# KiCad board EmotionTracker.kicad_pcb
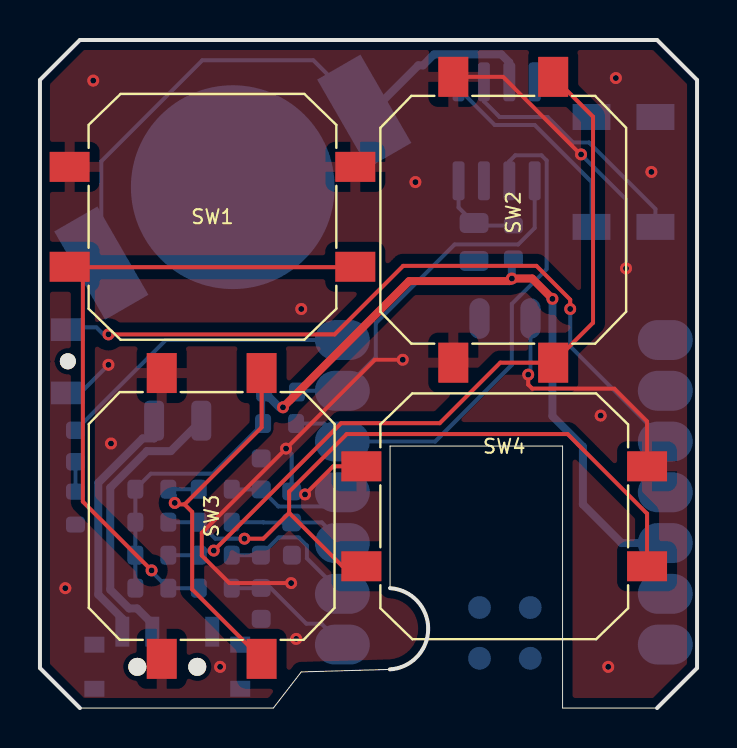
[diagram p0: board, top side]
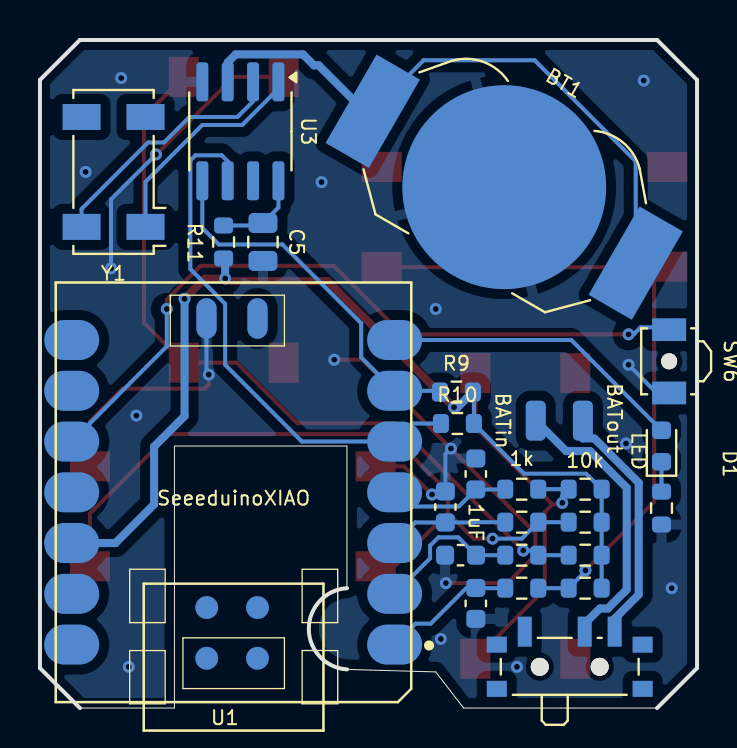
[diagram p1: board, bottom side, seen from below]

Outline 32.89 x 33.43 mm; copper layers: Top, Bottom. Coordinates in mm from the lower left corner of the outline.
Outline path: 0,31.43 0,2 2,0 11.68,0 13.08,1.81 17.52,1.93 arc(19.43,3.96) 17.53,6 17.53,13.11 26.16,13.11 26.16,0 30.89,0 32.89,2 32.89,31.43 30.89,33.43 2,33.43 0,31.43

## Placement (name value [footprint] x y rotation side)
BATin  TestPoint  [SolderWirePad_1x01_SMD_1x2mm]  8.08 14.38 180 bottom
BATout  TestPoint  [SolderWirePad_1x01_SMD_1x2mm]  5.72 14.38 180 bottom
BT1  CR1216  [BatteryHolder_LINX_BAT-HLD-012-SMT]  9.65 26.06 30 bottom
C1  1uF  [C_0603_1608Metric]  11.08 5.24 270 bottom
C2  1uF  [C_0603_1608Metric]  11.84 7.65 0 bottom
C3  1uF  [C_0603_1608Metric]  11.08 11.71 90 bottom
C4  1uF  [C_0603_1608Metric]  12.6 10.06 90 bottom
C5  10uF  [C_0805_2012Metric]  21.73 23.32 270 bottom
D1  LED  [LED_0603_1608Metric]  1.78 13.11 90 bottom
R1  10k  [R_0603_1608Metric]  5.6 6 0 bottom
R2  1k  [R_0603_1608Metric]  8.78 6 180 bottom
R3  10k  [R_0603_1608Metric]  5.6 7.65 0 bottom
R4  1k  [R_0603_1608Metric]  8.78 7.65 180 bottom
R5  10k  [R_0603_1608Metric]  5.6 10.95 0 bottom
R6  1k  [R_0603_1608Metric]  8.78 10.95 180 bottom
R7  10k  [R_0603_1608Metric]  5.6 9.3 0 bottom
R8  1k  [R_0603_1608Metric]  8.78 9.3 180 bottom
R9  10k  [R_0603_1608Metric]  12.05 15.81 180 bottom
R10  10k  [R_0603_1608Metric]  12 14.24 180 bottom
R11  1k  [R_0603_1608Metric]  23.7 23.32 270 bottom
R12  R  [R_0603_1608Metric]  1.78 10.01 270 bottom
SW1  SW_MEC_5E  [SW_Push_1P1T_NO_CK_PTS125Sx43PSMTR]  8.64 24.58 0 top
SW2  SW_MEC_5E  [SW_Push_1P1T_NO_CK_PTS125Sx43PSMTR]  23.19 24.43 90 top
SW3  SW_MEC_5E  [SW_Push_1P1T_NO_CK_PTS125Sx43PSMTR]  8.6 9.61 90 top
SW4  SW_MEC_5E  [SW_Push_1P1T_NO_CK_PTS125Sx43PSMTR]  23.24 9.59 0 top
SW5  SW_SPDT  [SW_SPDT_PCM12]  6.37 2.39 180 bottom
SW6  Push_Button  [SW_SPST_B3U-3000P-B]  1.4 17.35 270 bottom
U1  SeeeduinoXIAO  [Seeeduino XIAO-MOUDLE14P-2.54-21X17.8MM]  14.31 21.29 0 bottom
U3  PCF8523T  [SOIC-8_3.9x4.9mm_P1.27mm]  22.86 28.86 270 bottom
Y1  Crystal_32.768kHz  [Crystal_SMD_Abracon_ABS25-4Pin_8.0x3.8mm]  29.21 26.83 0 bottom

## Library data of the parts
BATin BATout = -: Description: test point; ki_fp_filters: Pin* Test*
BT1 = -: Description: Single-cell battery
C1-C5 = -: Description: Unpolarized capacitor; ki_fp_filters: C_*
D1 = -: Description: Common 5mm diameter LED; ki_fp_filters: LED_D5.0mm_Clear LED_D5.0mm_Horizontal_O1.27mm_Z3.0mm LED_D5.0mm_Horizontal_O3.81mm_Z3.0mm LED_D5.0mm_Horizontal_O6.35mm_Z3.0mm
R1-R8 R12 = -: Description: Resistor; ki_fp_filters: R_*
R9 R10 = -: Description: 10kÎ©, 1/4W Resistor; ki_fp_filters: Resistor_THT:R_Axial_DIN0207_L6.3mm_D2.5mm*
R11 = -: Description: 1kÎ©, 1/4W Resistor; ki_fp_filters: Resistor_THT:R_Axial_DIN0207_L6.3mm_D2.5mm*
SW1-SW4 = -: Datasheet: http://www.apem.com/int/index.php?controller=attachment&id_attachment=1371; Description: MEC 5E single pole normally-open tactile switch; ki_fp_filters: SW*MEC*5G*
SW5 = -: Description: Switch, single pole double throw
SW6 = -: Description: Common 6mmx6mm Push Button
U3 = -: Datasheet: https://www.nxp.com/docs/en/data-sheet/PCF8523.pdf; Description: Realtime Clock/Calendar I2C Interface, SOIC-8; ki_fp_filters: SOIC*3.9x4.9mm*P1.27mm*
Y1 = -: Description: 32.768kHz Crystal

## Footprints (pads in the part's own frame, mm; a bottom-side part is the same pattern mirrored in y, then rotated)
BatteryHolder_LINX_BAT-HLD-012-SMT
  rect 2.5x5.1 smd: 1(-7.6,0) 1(7.6,0)
  round 10.2 smd: 2(0,0)
C_0603_1608Metric
  rrect 0.9x0.95 smd: 1(-0.775,0) 2(0.775,0)
C_0805_2012Metric
  rrect 1x1.45 smd: 1(-0.95,0) 2(0.95,0)
Crystal_SMD_Abracon_ABS25-4Pin_8.0x3.8mm
  rect 1.9x1.3 smd: 1(-1.6,2.75) 2(1.6,2.75) 3(1.6,-2.75) 4(-1.6,-2.75)
LED_0603_1608Metric
  rrect 0.875x0.95 smd: 1(-0.788,0) 2(0.788,0)
R_0603_1608Metric
  rrect 0.8x0.95 smd: 1(-0.825,0) 2(0.825,0)
Seeeduino XIAO-MOUDLE14P-2.54-21X17.8MM
  oval 2.748x1.999 smd: 1(0.833,18.118) 2(0.833,15.578) 3(0.833,13.038) 4(0.833,10.498) 5(0.833,7.958) 6(0.833,5.418) 7(0.833,2.878) 8(16.998,2.878) 9(16.998,5.418) 10(16.998,7.958) 11(16.998,10.498) 12(16.998,13.038) 13(16.998,15.578) 14(16.998,18.118)
  oval 1.016x2.032 smd: 15(7.7,1.8) 16(10.25,1.8)
  round 1.143 smd: 17(7.699,18.804) 18(10.239,18.804) 19(7.699,16.264) 20(10.239,16.264)
SOIC-8_3.9x4.9mm_P1.27mm
  rrect 1.95x0.6 smd: 1(-2.475,1.905) 2(-2.475,0.635) 3(-2.475,-0.635) 4(-2.475,-1.905) 5(2.475,-1.905) 6(2.475,-0.635) 7(2.475,0.635) 8(2.475,1.905)
SolderWirePad_1x01_SMD_1x2mm
  rrect 1x2 smd: 1(0,0)
SW_Push_1P1T_NO_CK_PTS125Sx43PSMTR
  rect 2x1.5 smd: 1(-7.15,2.5) 1(7.15,2.5) 2(-7.15,-2.5) 2(7.15,-2.5)
SW_SPDT_PCM12
  rect 1x0.8 smd: (-3.65,-1.43) (-3.65,0.78) (3.65,-1.43) (3.65,0.78)
  round 0.9 hole 0.9 unplated: (-1.5,-0.33) (1.5,-0.33)
  rect 0.7x1.5 smd: 1(-2.25,1.43) 2(0.75,1.43) 3(2.25,1.43)
SW_SPST_B3U-3000P-B
  round 0.8 hole 0.8 unplated: (0,0)
  rect 1.134x1.7 smd: 1(-1.583,0) 2(1.583,0)

## Nets
+3.3V: R1.1 R3.1 R5.1 R7.1 R9.2 R10.2 R11.2 U1.12
GND: BT1.2 C1.2 C2.2 C3.2 C4.2 C5.2 R12.2 SW1.1 SW2.1 SW3.1 SW4.1 SW6.2 U1.16 U3.4
SCL: R9.1 U1.6 U3.5
SDA: R10.1 U1.5 U3.6
Switch_1: C1.1 R2.1 U1.1
Switch_2: C2.1 R4.1 U1.2
Switch_3: C4.1 R8.1 U1.3
Switch_4: C3.1 R6.1 U1.4
Net-(BT1-+): BT1.1 U3.3
Net-(D1-Pad1): D1.1 R12.1
Net-(R1-Pad2): R1.2 R2.2 SW1.2
Net-(R3-Pad2): R3.2 R4.2 SW2.2
Net-(R5-Pad2): R5.2 R6.2 SW3.2
Net-(R7-Pad2): R7.2 R8.2 SW4.2
Net-(SW5-B): BATin.1 SW5.2
Net-(SW5-C): BATout.1 SW5.3
Net-(U1-PA5_A9_D9_MISO): SW6.1 U1.10
Net-(U1-PB08_A6_D6_TX): D1.2 U1.7
Net-(U3-OSCI): U3.1 Y1.1
Net-(U3-OSCO): U3.2 Y1.2
Net-(U3-VDD): C5.1 R11.1 U3.8

Pads without a net: SW5 1; U1 8 9 11 13 14 15 17 18 19 20; U3 7; Y1 3 4

## Via types
v1: diameter 0.6, hole 0.3, Top to Bottom, 28 vias

## Routing (per net, layer and track width the routed paths; a pad name or vN(x,y) marks a point on that pad's centre or on a via; arc(x,y) is an arc through that point)
+3.3V: length 49
  Top w0.4: v1(12.17,15.05) 18.48,21.37 23.5,21.37 v1(23.62,21.49) 24.64,21.49 v1(25.65,20.48)
  Bottom w0.2: R9.2 11.17,15.76 R10.2 8.66,11.73 5.55,11.73 R5.1 R1.1
  Bottom w0.4: v1(12.17,15.05) 11.99,15.05 R9.2 ; v1(25.65,20.48) 25.65,14.61 27.18,13.08 27.18,10.19 29.11,8.25 U1.12 ; v1(23.62,21.49) 23.62,22.42 R11.2
GND: length 56.1
  Top w0.2: v1(24.44,16.68) 24.44,16.18 24.64,15.98 28.75,15.98 30.39,14.34 30.39,11.9 ; v1(27.09,27.7) 27.06,27.7 23.18,31.58 20.69,31.58 ; v1(12.57,6.25) 9.48,6.25 8.1,7.63 8.1,8.77 v1(12.32,12.98) 16.76,17.43 v1(18.16,17.43) ; SW4.1 14.68,12.09 v1(13.27,10.69)
  Bottom w0.2: 1.4,15.65 1.91,15.65 v1(3.43,17.17) ; 12.61,6.29 v1(12.57,6.25) ; v1(12.32,12.98) 12.6,12.7 C4.2 12.75,10.69 v1(13.27,10.69) ; U1.16 24.56,16.8 v1(24.44,16.68) ; v1(27.09,27.7) 29.34,25.45 v1(29.34,22)
  vias: v1(1.27,6) v1(2.67,31.4) v1(3.56,13.24) v1(9.02,2.06) v1(12.83,3.46) v1(13.08,19.97) v1(18.8,26.32) v1(28.07,14.63) v1(28.45,2.06) v1(28.83,31.53) v1(30.61,26.83)
SCL: length 18.7
  Bottom w0.2: R9.1 12.93,15.88 U1.6 16.81,17.55 16.81,19.25 20.75,23.2 23.94,23.2 24.77,24.02 U3.5
SDA: length 26.8
  Bottom w0.2: R10.1 14.24,14.24 U1.5 19.78,13.34 23.62,17.17 23.62,20.22 25.36,21.97 25.36,27.4 25.11,27.66 23.8,27.66 23.5,27.36 U3.6
Switch_1: length 6.8
  Bottom w0.2: C1.1 11.54,6.01 13.34,4.22 14.09,4.22 U1.1 ; 11.18,6 R2.1
Switch_2: length 7.6
  Bottom w0.2: 11.18,7.65 R4.1 ; C2.1 11.95,8.54 12.95,8.54 13.36,8.12 13.36,7.49 U1.2
Switch_3: length 6
  Bottom w0.2: R8.1 11.18,9.3 11.19,9.29 C4.1 14.11,9.29 U1.3
Switch_4: length 6.2
  Bottom w0.2: U1.4 14.43,10.09 11.93,10.09 C3.1 9.61,10.94 R6.1
Net-(BT1-+): length 31
  Bottom w0.2: BT1.1 13.68,32.41 8.13,32.41 3.07,27.36 BT1.1
  Bottom w0.4: U3.3 23.5,32.31 23.09,32.71 19.72,32.71 19.18,32.16 18.94,32.16 16.36,29.58
Net-(D1-Pad1): length 1.5
  Bottom w0.2: D1.1 1.78,10.79
Net-(R1-Pad2): length 34
  Top w0.2: 15.79,22.06 1.49,22.06 ; v1(5.59,6.89) 2.15,10.33 2.15,21.42 1.49,22.08
  Bottom w0.2: v1(5.59,6.89) 5.59,6.84 R1.2 R2.2
Net-(R3-Pad2): length 39.2
  Top w0.2: v1(8.7,7.88) 15.08,14.25 20.01,14.25 23.04,17.28 SW2.2 27.69,19.28 27.69,29.59 25.69,31.58
  Bottom w0.2: v1(8.7,7.88) 8.18,7.88 R4.2 R3.2
Net-(R5-Pad2): length 20.4
  Top w0.2: 7.24,10.19 11.1,14.05 SW3.2 ; 7.24,10.19 7.62,9.81 7.62,5.94 SW3.2 ; 7.24,10.19 6.82,10.19 v1(6.75,10.26)
  Bottom w0.2: v1(6.75,10.26) 6.75,10.63 R5.2 R6.2
Net-(R7-Pad2): length 36.1
  Top w0.2: 12.47,9.77 12.47,10.83 15.36,13.71 26.41,13.71 30.39,9.73 SW4.2 ; 12.47,9.77 15.14,7.09 SW4.2 ; 12.47,9.77 11.18,8.47 v1(10.24,8.47)
  Bottom w0.2: v1(10.24,8.47) 8.78,8.47 R8.2 R7.2
Net-(SW5-B): length 14.4
  Bottom w0.4: 5.62,3.96 5.62,3.82 5.62,4.22 4.86,4.98 4.46,4.98 3.52,5.92 3.52,11.03 5.35,12.86 6.55,12.86 BATin.1
Net-(SW5-C): length 12.6
  Bottom w0.4: BATout.1 5.72,13.49 5.14,13.49 2.92,11.27 2.92,5.68 4.12,4.47 4.12,3.82
Net-(U1-PA5_A9_D9_MISO): length 36.5
  Top w0.2: v1(3.43,18.7) 14.75,18.7 18.18,22.13 24.85,22.13 26.54,20.44 v1(26.54,19.97)
  Bottom w0.2: U1.10 26.54,18.09 v1(26.54,19.97) ; 1.4,19.05 2.82,19.05 3.17,18.7 v1(3.43,18.7)
Net-(U1-PB08_A6_D6_TX): length 15.2
  Bottom w0.2: D1.2 6.3,18.42 U1.7
Net-(U3-OSCI): length 11.2
  Bottom w0.2: U3.1 20.95,30.99 22.77,29.18 24.77,29.18 27.61,26.33 Y1.1
Net-(U3-OSCO): length 13.2
  Bottom w0.2: U3.2 22.22,30.36 23.01,29.58 25.41,29.58 26.68,28.3 27.48,28.3 30.81,24.97 Y1.2 31.21,24.47
Net-(U3-VDD): length 4.5
  Bottom w0.2: U3.8 20.95,25.05 C5.1 21.86,24.15 R11.1

## Copper pours and planes (outline as drawn; the poured copper is in the pictures)
GND on Top, Bottom: 0,33.43 32.89,33.43 32.89,0 0,0

## Text on the board
Top: confirm footprint of SMD 90 degree button - cehck availability / Find 3D model of button / confirm footprint of ESP32 / confirm footprint of slide switch / Export (without traces/zones) and model enclosure
